# KiCad board fjol.kicad_pcb (continued)
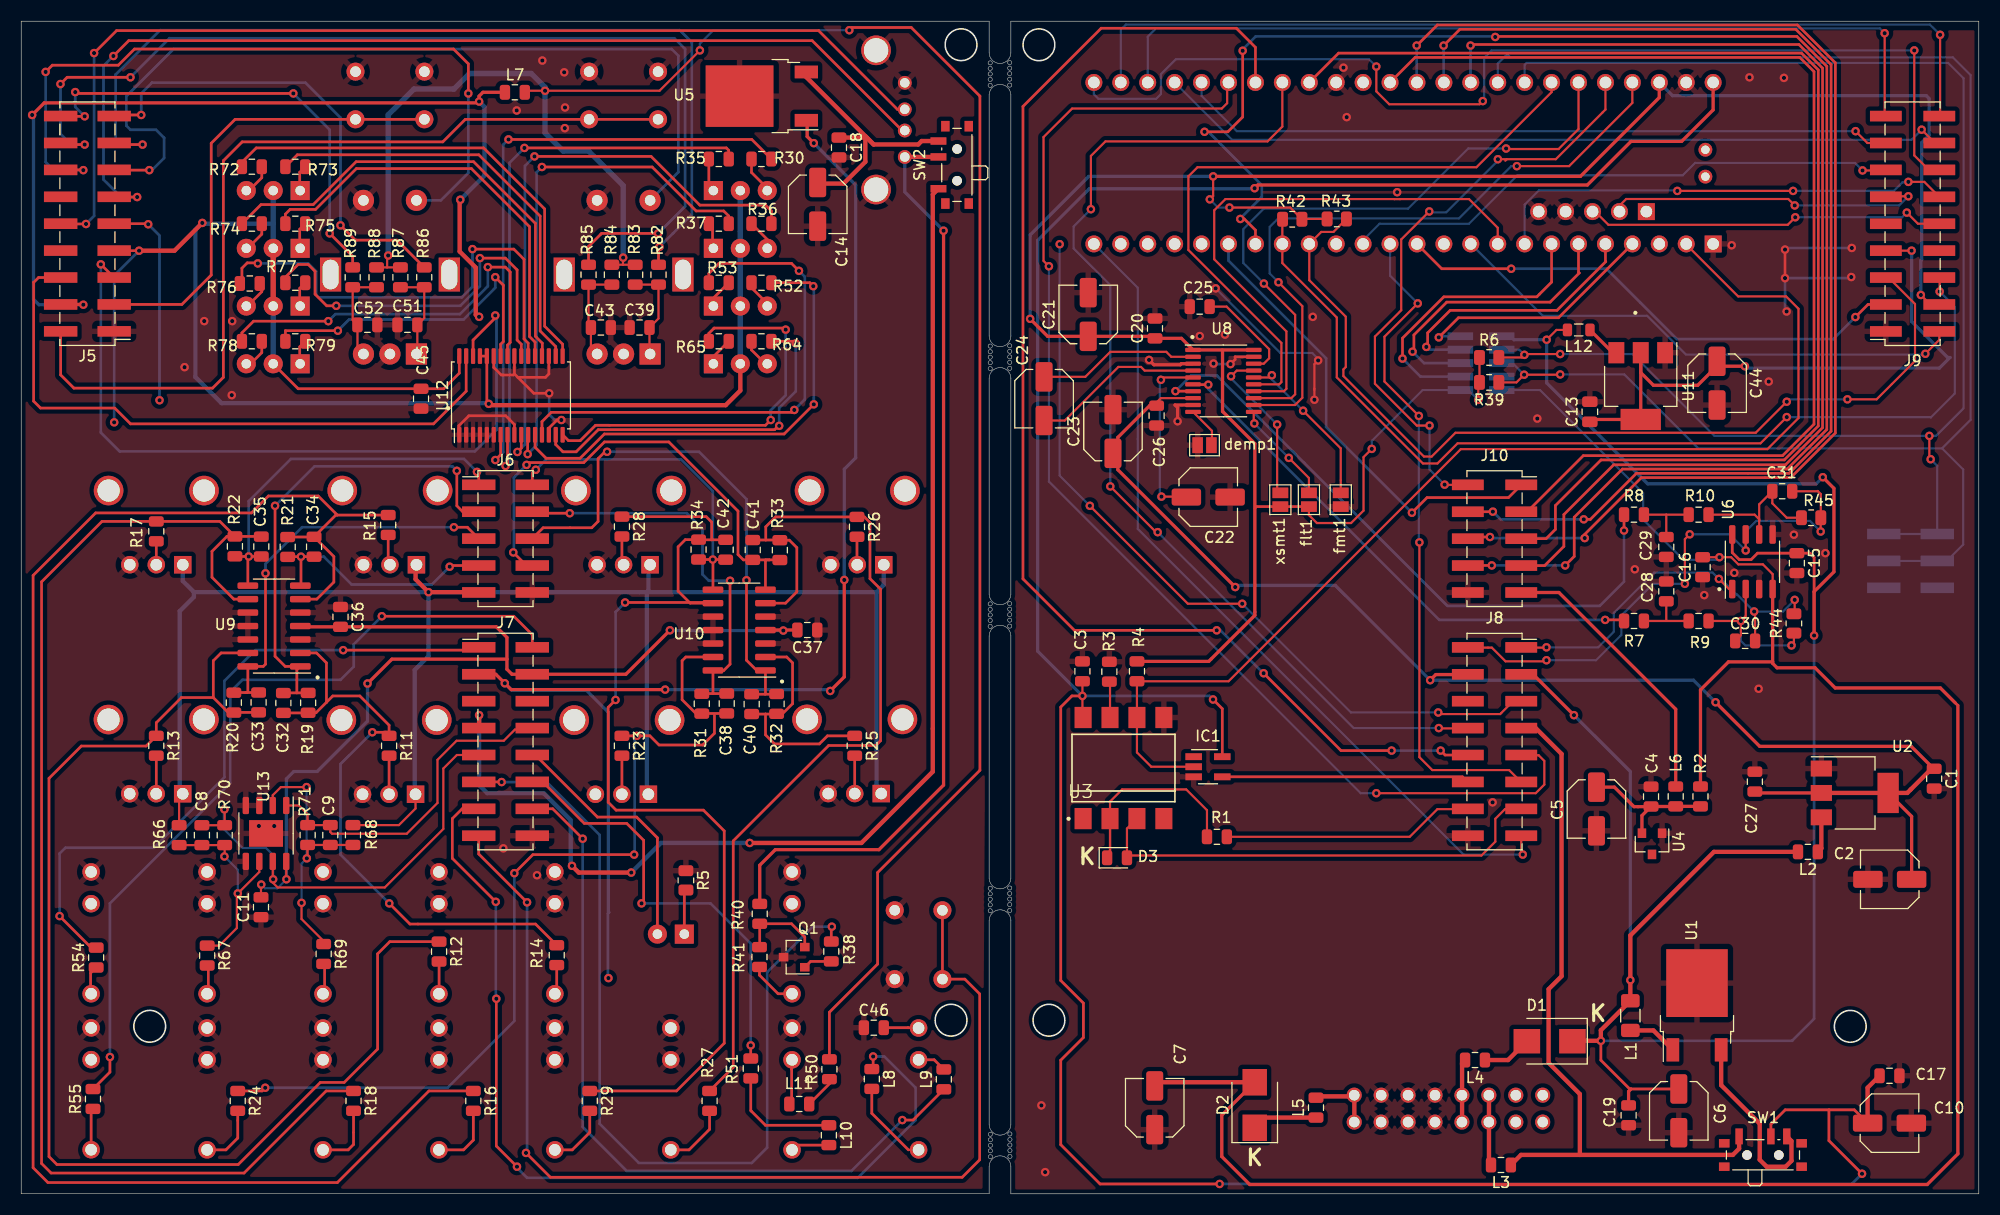
[diagram p0: board, top side]
## Footprints (pads in the part's own frame, mm; a bottom-side part is the same pattern mirrored in y, then rotated) (continued)
WQP-PJ301M-12_JACK
  round 1.65 hole 1.1: P$1_TIP(0,5) P$2_SWITCH(0,-3.5) P$3_SLEEVE(0,-6.5)
WQP-PJ366ST_JACK
  round 1.65 hole 1.1: P$1_TIP(0,5) P$2_SWITCH(0,-3.5) P$3_SLEEVE(0,-6.5)

## Nets
5V_USB: R40.2 SW2.2 X1.1
+3.3V: C20.1 C21.1 flt1.1 J2.10 J9.4 R4.2 R6.1 R39.2 R42.1 R43.2 U7.46 U8.1 U8.20 xsmt1.1
+3.3V_F: J5.4 L7.1
+3.3V_F1: L7.2 R50.2 R83.2 R84.2 R87.2 R88.2
+3.3VA: C1.1 C2.1 C23.1 C26.1 C27.1 J8.4 U2.2 U8.8
+3.3VA_F: C11.2 C36.2 C37.2 J7.4 U9.4 U10.4 U13.8
+3.3VP: C13.1 C44.1 J9.7 U11.2
+3.3VP_F: C45.1 D5.2 D6.2 D7.2 D8.2 D9.2 D10.2 D11.2 D12.2 J5.7 U12.28 U12.29 U12.32
+5V: C3.1 C10.1 C17.1 IC1.5 SW1.2 U3.8 U7.48
+12V: C6.1 C15.1 C19.1 D1.1 J2.1 J8.3 L1.2 L2.2 L12.2 U6.8
+12V-F: J7.3 U5.1
-10V: J10.9 L6.2
-10V_F: ATTACK1.1 CTL2.1 cutoff1.1 J6.9 PM1.1 PM2.1 R66.2 R68.2 RATIO1.1 RATIO2.1 RELEASE1.1
-12V: C7.2 C16.2 D2.2 J2.9 R2.1 U6.4
GND: ATTACK1.3 C11.1 C14.2 C18.2 C36.1 C37.1 C39.1 C43.1 C45.2 C46.1 C51.1 C52.1 CTL2.3 cutoff1.3 CV-CTL2.P$2_SWITCH CV-CTL2.P$3_SLEEVE CV-CTL3.P$2_SWITCH CV-CTL3.P$3_SLEEVE CV-CTL4.P$2_SWITCH CV-CTL4.P$3_SLEEVE cv-cutoff1.P$2_SWITCH cv-cutoff1.P$3_SLEEVE CV-PM1.P$2_SWITCH CV-PM1.P$3_SLEEVE CV-PM2.P$2_SWITCH CV-PM2.P$3_SLEEVE CV-RAT1.P$2_SWITCH CV-RAT1.P$3_SLEEVE CV-RAT2.P$2_SWITCH CV-RAT2.P$3_SLEEVE CV-REL1.P$2_SWITCH CV-REL1.P$3_SLEEVE GATE-OUT1.P$3_SLEEVE J5.1 J6.10 J7.16 LEFT-OUT1.P$3_SLEEVE MIDI-THRU1.P$3_SLEEVE PM1.3 PM2.3 Q1.3 R5.1 RATIO1.3 RATIO2.3 RELEASE1.3 RIGHT-OUT1.P$3_SLEEVE SW3.C SW3.S1 SW4.C SW4.S1 sw-midi1.3 sw-midi1.4 sw-sel1.3 sw-sel1.4 sw-sel2.3 sw-sel2.4 U5.2 U9.3 U9.5 U9.10 U9.11 U9.12 U10.3 U10.5 U10.10 U10.11 U10.12 U12.1 U12.2 U12.3 U12.4 U12.5 U12.6 U12.9 U12.14 U12.19 U12.24 U12.27 U13.3 U13.4 U13.5 U13.9 X1.4 X1.M1 X1.M2
GND1: C1.2 C2.2 C3.2 C4.2 C5.2 C6.2 C7.1 C10.2 C13.2 C15.2 C16.1 C17.2 C19.2 C20.2 C21.2 C22.2 C23.2 C25.2 C26.2 C27.2 C28.2 C29.2 C44.2 demp1.1 fmt1.1 IC1.3 J1.3 J1.4 J1.5 J1.6 J1.7 J1.8 J2.7 J3.1 J3.2 J8.16 J9.1 J10.10 R3.1 U1.2 U2.1 U3.5 U4.1 U6.3 U6.5 U7.1 U7.34 U7.47 U7.58 U7.59 U8.3 U8.9 U8.19 U11.1
ATTACK: J10.6 U7.37
ATTACK_F: C40.1 J6.6 R32.1 U10.1
CONTROL1_CV: J8.8 U7.32
CONTROL1_CV_F: C9.1 J7.8 R71.1 U13.1
CONTROL2_CV: J8.9 U7.30
CONTROL2_CV_F: C8.1 J7.9 R70.1 U13.7
CONTROL3: J10.5 U7.33
CONTROL3_F: C33.1 J6.5 R20.1 U9.14
ctl1_enc_A: J9.15 U7.29
ctl1_enc_A_F: J5.15 R82.2
ctl1_enc_B: J9.16 U7.28
ctl1_enc_B_F: J5.16 R85.1
ctl1_sw: J9.13 U7.14
ctl1_sw_F: J5.13 SW3.S2
ctl2_enc_A: J9.17 U7.27
ctl2_enc_A_F: J5.17 R86.2
ctl2_enc_B: J9.18 U7.26
ctl2_enc_B_F: J5.18 R89.1
ctl2_sw: J9.14 U7.25
ctl2_sw_F: J5.14 SW4.S2
cutoff: J10.3 U7.36
cutoff_f: C32.1 J6.3 R19.1 U9.1
D+: J9.10 U7.57
D+_F: J5.10 X1.3
D-: J9.11 U7.56
D-_F: J5.11 X1.2
dac_left: R7.1 U8.6
dac_right: R8.1 U8.7
euro-5V: J8.7 L3.1 SW1.1
euro-5V_f: J7.7 SW2.1
G1-EXP: J2.2 U7.4
G2-EXP: J2.4 U7.5
G3-EXP: J2.6 U7.6
G4-EXP: J2.8 U7.7
GATE: J8.11 U7.13
GATE-F: J7.11 R38.2
led1_g: R30.2 U12.7
led1_r: R35.2 U12.8
led2_g: R36.2 U12.10
led2_r: R37.2 U12.11
led3_g: R52.2 U12.12
led3_r: R53.2 U12.13
led4_g: R64.2 U12.15
led4_r: R65.2 U12.16
led5_g: R72.2 U12.17
led5_r: R73.2 U12.18
led6_g: R74.2 U12.20
led6_r: R75.2 U12.21
led7_g: R76.2 U12.22
led7_r: R77.2 U12.23
led8_g: R78.2 U12.25
led8_r: R79.2 U12.26
led_gate: J8.10 U7.31
led_gate_f: D4.2 J7.10
LEFT-OUT: C30.1 J8.1 R44.2 U6.1
LEFT-OUT-F: J7.1 R54.2
LRCLK: U7.42 U8.15
MCLK: U7.45 U8.12
MIDI-IN-L-F: J7.13 L8.1
MIDI-IN-R-F: J7.14 L9.1
MIDI-RX: IC1.2 R4.1 U3.6 U7.2
MIDI-RX4: J8.14 R1.2
MIDI-RX5: D3.2 J8.13 U3.3
MIDI-THRU: IC1.4 J8.12
MIDI-THRU-L-F: J7.12 R51.2
midi_sw: J8.15 U7.24
midi_sw-F: J7.15 sw-midi1.1 sw-midi1.2
PM1: J10.8 U7.18
PM1_F: C41.1 J6.8 R33.1 U10.7
PM2: J10.7 U7.39
PM2_F: C34.1 J6.7 R21.1 U9.7
RATIO1: J10.2 U7.44
RATIO1_F: C42.1 J6.2 R34.1 U10.8
RATIO2: J10.1 U7.19
RATIO2_F: C35.1 J6.1 R22.1 U9.8
RELEASE: J10.4 U7.38
RELEASE_F: C38.1 J6.4 R31.1 U10.14
RIGHT-OUT: C31.1 J8.2 R45.2 U6.7
RIGHT-OUT-F: J7.2 R55.2
SCL: J9.5 R43.1 U7.16
SCL-EXP: J2.3 J3.5 J3.6 R6.2 U7.41
SCL_F: J5.5 U12.30
SCLK: U7.43 U8.13
SDA: J9.6 R42.2 U7.17
SDA-EXP: J2.5 J3.3 J3.4 R39.1 U7.40
SDA_F: J5.6 U12.31
SDATA: U7.9 U8.14
sin: J9.12
sin-f: J5.12
switch1_sw: J9.2 U7.10
switch1_sw-F: J5.2 sw-sel1.1 sw-sel1.2
switch2_sw: J9.3 U7.12
switch2_sw-F: J5.3 sw-sel2.1 sw-sel2.2
Net-(ATTACK1-Pad2): ATTACK1.2 R25.2
Net-(C4-Pad1): C4.1 C5.1 L6.1 R2.2 U4.2
Net-(C8-Pad2): C8.2 R66.1 R67.1 R70.2 U13.6
Net-(C9-Pad2): C9.2 R68.1 R69.1 R71.2 U13.2
Net-(C14-Pad1): C14.1 C18.1 SW2.3 U5.3
Net-(C22-Pad1): C22.1 U8.5
Net-(C24-Pad1): C24.1 U8.2
Net-(C24-Pad2): C24.2 U8.4
Net-(C25-Pad1): C25.1 U8.18
Net-(C28-Pad1): C28.1 R7.2 R9.1
Net-(C29-Pad1): C29.1 R8.2 R10.1
Net-(C30-Pad2): C30.2 R9.2 R44.1 U6.2
Net-(C31-Pad2): C31.2 R10.2 R45.1 U6.6
Net-(C32-Pad2): C32.2 R11.1 R14.1 R19.2 U9.2
Net-(C33-Pad2): C33.2 R12.1 R13.1 R20.2 U9.13
Net-(C34-Pad2): C34.2 R15.1 R16.1 R21.2 U9.6
Net-(C35-Pad2): C35.2 R17.1 R18.1 R22.2 U9.9
Net-(C38-Pad2): C38.2 R23.1 R24.1 R31.2 U10.13
Net-(C39-Pad2): C39.2 R82.1 R83.1 SW3.A
Net-(C40-Pad2): C40.2 R25.1 R32.2 U10.2
Net-(C41-Pad2): C41.2 R26.1 R27.1 R33.2 U10.6
Net-(C42-Pad2): C42.2 R28.1 R29.1 R34.2 U10.9
Net-(C43-Pad2): C43.2 R84.1 R85.2 SW3.B
Net-(C46-Pad2): C46.2 MIDI-IN1.P$3_SLEEVE
Net-(C51-Pad2): C51.2 R86.1 R87.1 SW4.A
Net-(C52-Pad2): C52.2 R88.1 R89.2 SW4.B
Net-(CTL2-Pad2): CTL2.2 R13.2
Net-(CV-CTL2-PadP$1_TIP): CV-CTL2.P$1_TIP R12.2
Net-(CV-CTL3-PadP$1_TIP): CV-CTL3.P$1_TIP R69.2
Net-(CV-CTL4-PadP$1_TIP): CV-CTL4.P$1_TIP R67.2
Net-(CV-PM1-PadP$1_TIP): CV-PM1.P$1_TIP R27.2
Net-(CV-PM2-PadP$1_TIP): CV-PM2.P$1_TIP R16.2
Net-(CV-RAT1-PadP$1_TIP): CV-RAT1.P$1_TIP R29.2
Net-(CV-RAT2-PadP$1_TIP): CV-RAT2.P$1_TIP R18.2
Net-(CV-REL1-PadP$1_TIP): CV-REL1.P$1_TIP R24.2
Net-(D1-Pad2): D1.2 L4.1
Net-(D2-Pad1): D2.1 L5.1
Net-(D3-Pad1): D3.1 R1.1 U3.2
Net-(D4-Pad1): D4.1 R5.2
Net-(D5-Pad1): D5.1 R35.1
Net-(D5-Pad3): D5.3 R30.1
Net-(D6-Pad1): D6.1 R37.1
Net-(D6-Pad3): D6.3 R36.1
Net-(D7-Pad1): D7.1 R53.1
Net-(D7-Pad3): D7.3 R52.1
Net-(D8-Pad1): D8.1 R65.1
Net-(D8-Pad3): D8.3 R64.1
Net-(D9-Pad1): D9.1 R73.1
Net-(D9-Pad3): D9.3 R72.1
Net-(D10-Pad1): D10.1 R75.1
Net-(D10-Pad3): D10.3 R74.1
Net-(D11-Pad1): D11.1 R77.1
Net-(D11-Pad3): D11.3 R76.1
Net-(D12-Pad1): D12.1 R79.1
Net-(D12-Pad3): D12.3 R78.1
Net-(GATE-OUT1-PadP$1_TIP): GATE-OUT1.P$1_TIP R41.1
Net-(J1-Pad1): J1.1 J1.2 L5.2
Net-(J1-Pad10): J1.9 J1.10 L4.2
Net-(J1-Pad11): J1.11 J1.12 L3.2
Net-(L1-Pad1): L1.1 U1.1
Net-(L2-Pad1): L2.1 U2.3
Net-(L8-Pad2): L8.2 MIDI-IN1.P$1_TIP
Net-(L9-Pad2): L9.2 MIDI-IN1.P$2_SWITCH
Net-(L10-Pad1): L10.1 R51.1
Net-(L10-Pad2): L10.2 MIDI-THRU1.P$1_TIP
Net-(L11-Pad1): L11.1 R50.1
Net-(L11-Pad2): L11.2 MIDI-THRU1.P$2_SWITCH
Net-(L12-Pad1): L12.1 U11.3
Net-(LEFT-OUT1-PadP$1_TIP): LEFT-OUT1.P$1_TIP R54.1
Net-(PM1-Pad2): PM1.2 R26.2
Net-(PM2-Pad2): PM2.2 R15.2
Net-(Q1-Pad1): Q1.1 R38.1
Net-(Q1-Pad2): Q1.2 R40.1 R41.2
Net-(R3-Pad2): R3.2 U3.7
Net-(R11-Pad2): cutoff1.2 R11.2
Net-(R14-Pad2): cv-cutoff1.P$1_TIP R14.2
Net-(R17-Pad2): R17.2 RATIO2.2
Net-(R23-Pad2): R23.2 RELEASE1.2
Net-(R28-Pad2): R28.2 RATIO1.2
Net-(R55-Pad1): R55.1 RIGHT-OUT1.P$1_TIP
Net-(SW1-Pad3): SW1.3 U1.3
Net-(U8-Pad10): demp1.2 U8.10
Net-(U8-Pad11): flt1.2 U8.11
Net-(U8-Pad16): fmt1.2 U8.16
Net-(U8-Pad17): U8.17 xsmt1.2

Pads without a net: ATTACK1 CHASSIS1 CHASSIS2; CTL2 CHASSIS1 CHASSIS2; cutoff1 CHASSIS1 CHASSIS2; GATE-OUT1 P$2_SWITCH; IC1 1; J1 13 14 15 16; J5 8 9; J7 5 6; J8 5 6; J9 8 9; LEFT-OUT1 P$2_SWITCH; PM1 CHASSIS1 CHASSIS2; PM2 CHASSIS1 CHASSIS2; RATIO1 CHASSIS1 CHASSIS2; RATIO2 CHASSIS1 CHASSIS2; RELEASE1 CHASSIS1 CHASSIS2; RIGHT-OUT1 P$2_SWITCH; SW3 MP; SW4 MP; U3 1 4; U4 3; U7 3 8 11 15 20 21 22 23 35 55 66 67

## Via types
v1: diameter 0.8, hole 0.4, Top to Bottom, 292 vias

## Routing (per net, layer and track width the routed paths; a pad name or vN(x,y) marks a point on that pad's centre or on a via; arc(x,y) is an arc through that point)
5V_USB: length 88.1
  Top w0.305: v1(87.01,90.9) 87.01,38.57 80.92,32.48 71.14,32.48 69.67,31.01 R40.2
  Top w0.406: SW2.2 83.36,97.86 X1.1
  Bottom w0.305: v1(87.01,90.9) 83.36,94.56 X1.1
+3.3V: length 251
  Top w0.203: v1(112.45,96.03) 112.45,94.17 v1(112.13,93.86) ; R42.1 119.72,93.08 v1(113.98,93.08) ; v1(179.21,84.83) 180.1,83.94 J9.4 ; 116.38,70.8 116.38,54.6 ; v1(127.41,70.31) 126.63,69.53 126.63,64.48 125.46,63.31 122.23,63.31 121.48,64.06 flt1.1 ; R43.2 120.87,92.01 ; v1(137.46,74.93) 137.46,76.47 R39.2 R6.1 ; U8.1 113.33,79.65
  Top w0.25: 116.38,64.71 116.53,64.86 flt1.1
  Top w0.305: 113.33,79.65 113.33,73.85 116.38,70.8 116.38,54.6 112.03,50.25 R4.2 ; v1(95.18,82.58) 96.83,80.93 C21.1 106.77,80.93 C20.1 109.46,80.74 U8.1 U8.20 ; v1(112.45,96.03) 147.09,96.03 154.53,103.47 U7.46
  Bottom w0.203: v1(113.98,93.08) 112.91,93.08 v1(112.13,93.86) ; v1(127.41,70.31) 127.41,71.06 132.21,75.86 J2.10 136.53,75.86 v1(137.46,74.93)
  Bottom w0.305: v1(179.21,84.83) 179.21,88.08 179.28,88.16 179.28,99.21 179.99,99.92 179.99,103.38 179.72,103.65 155.78,103.65 U7.46 ; v1(112.45,96.03) 100.71,96.03 95.18,90.5 95.18,82.58 v1(95.18,82.58)
+3.3V_F: length 92.6
  Top w0.305: J5.4 5.84,83.94 v1(5.86,83.91) ; v1(1.03,101.82) 2.18,102.96 43.07,102.96 v1(43.2,103.09) 43.2,103.6 43.56,103.96 L7.1
  Top w0.406: v1(43.2,82.77) 43.01,82.96 42.88,82.96 42.88,87.42 41.36,88.94 41.36,93.76 v1(41.42,93.82)
  Bottom w0.305: v1(5.86,83.91) 1.67,83.91 1.16,84.42 1.16,101.69 v1(1.03,101.82)
  Bottom w0.406: v1(43.2,103.09) 43.71,102.58 43.71,96.11 v1(41.42,93.82)
+3.3V_F1: length 202.4
  Top w0.203: 56.77,87.69 R84.2 ; 56.77,87.69 56.77,88.39 56.77,88.37 v1(56.79,88.36) ; 56.77,87.69 R83.2 ; v1(34.62,88.56) 34.52,88.46 34.52,87.44 ; R87.2 34.52,87.44 ; 34.52,87.44 R88.2 ; v1(64.03,107.92) 60.22,104.11 v1(49.42,104.11) 47.65,104.11 L7.2
  Top w0.254: v1(78.12,109.82) 78.38,110.08 83.97,110.08 90.44,103.6 90.44,39.97 80.79,30.32 80.79,21.68 76.24,17.14 R50.2
  Bottom w0.203: v1(64.03,107.92) 64.03,108.55 65.3,109.82 v1(78.12,109.82)
  Bottom w0.508: v1(34.62,88.56) 34.62,101.83 37.05,104.27 40.82,104.27 42.29,105.74 48.11,105.74 49.42,104.43 v1(49.42,104.11) 49.42,100.13 51.13,98.42 53.52,98.42 56.79,95.15 v1(56.79,88.36)
+3.3VA: length 131.1
  Top w0.203: C26.1 107.11,74.69 107.52,75.1 U8.8
  Top w0.305: U2.2 163.58,37.83 ; 180.31,40.22 178.3,42.23 164.01,42.23 v1(159.84,46.39) ; v1(114.53,57.27) 103.45,68.34 103.45,71.39 106.45,74.38 C26.1 ; C2.1 178.34,35.62 U2.2 ; 136.47,49.01 133.45,49.01 v1(132.92,48.48)
  Top w0.406: 180.31,40.22 177.93,37.83 U2.2 U2.2
  Bottom w0.305: v1(159.84,46.39) 157.76,48.48 v1(132.92,48.48) 123.98,57.42 114.68,57.42 v1(114.53,57.27)
+3.3VA_F: length 96.8
  Top w0.203: v1(22.65,29.19) 22.62,29.16 C11.2 ; U13.8 25,29.71 v1(25.02,29.69)
  Top w0.305: 71.95,53.21 70.22,53.21 U10.4 ; 71.95,53.21 C37.2 ; 71.95,53.21 v1(71.9,53.16) ; 45.82,50.46 45.82,49.51 46.3,49.04 J7.4 57.05,49.04 v1(61.2,53.19) ; 45.82,50.46 34.97,50.46 v1(32.67,48.16) ; 45.82,50.46 45.82,52.51 44.82,53.51 C36.2 26.41,53.51 U9.4
  Bottom w0.203: v1(25.02,29.69) 24.17,28.84 23,28.84 v1(22.65,29.19)
  Bottom w0.305: v1(71.9,53.16) 61.22,53.16 v1(61.2,53.19) ; v1(32.67,48.16) 32.67,44.61 27.92,39.86 25.72,39.86 25.02,39.16 v1(25.02,29.69)
+3.3VP: length 58.8
  Top w0.203: v1(178.33,89.02) J9.7
  Top w0.305: C13.1 148.21,73.08 152.78,73.08 U11.2 152.78,77.51 153.98,76.31 158.16,76.31 159.98,78.13 C44.1 160.45,78.11 v1(162.61,78.11)
  Bottom w0.305: v1(178.33,89.02) 178.33,82.33 181.73,78.93 181.96,78.93 180.96,77.93 162.78,77.93 v1(162.61,78.11)
+3.3VP_F: length 162.4
  Top w0.25: v1(44.11,74.56) 43.93,74.74 U12.28 U12.29 ; J5.7 8.78,89.01 v1(11.12,89.01) ; C45.1 39.86,75.98 41.33,77.45 U12.32
  Top w0.254: D12.2 26.13,75.98 C45.1
  Top w0.406: v1(44.11,74.56) 44.23,74.43 66.46,74.43 67.84,75.81 D8.2 ; v1(11.12,89.01) 14.46,89.01 v1(17.08,91.63)
  Top w0.508: D11.2 D10.2
  Bottom w0.25: v1(11.12,89.01) 8.77,86.66 v1(8.77,72.81)
  Bottom w0.406: 23.78,91.56 17.15,91.56 v1(17.08,91.63) 16.43,90.98 16.43,77.08 18.89,74.62 44.04,74.62 v1(44.11,74.56)
  Bottom w0.508: D10.2 D9.2 ; D12.2 D11.2 ; D8.2 D7.2 D6.2 D5.2
+5V: length 284.5
  Top w0.203: U3.8 100.11,45.02 v1(100.11,46.99) C3.1
  Top w0.25: IC1.5 113.31,45.78 v1(112.43,46.66)
  Top w0.254: v1(100.11,46.99) 99.12,46.99 98.07,45.94 98.07,20.13 100.2,18 100.2,14.75 98.07,12.61 98.07,4.64 101.78,0.93 v1(113.06,0.93) ; SW1.2 165.06,6.58 166.41,7.93 170.54,7.93 ; v1(173.66,1.89) 170.54,5.02 170.54,7.93 ; 170.54,7.93 172.93,7.93 C10.1
  Top w0.305: U7.48 159.61,102.3 156.64,99.33 151.87,99.33 147.75,95.21 116.66,95.21 v1(116.36,94.91)
  Top w0.406: C10.1 174.19,10.01 C17.1
  Bottom w0.25: v1(100.11,46.99) 112.1,46.99 v1(112.43,46.66)
  Bottom w0.254: v1(173.66,1.89) 172.69,0.93 v1(113.06,0.93)
  Bottom w0.305: v1(100.11,46.99) 95.89,51.22 95.89,89.98 100.76,94.86 116.31,94.86 v1(116.36,94.91)
+12V: length 210.4
  Top w0.203: v1(143.91,80.61) 144.83,81.53 L12.2
  Top w0.254: v1(169.14,52.69) 169.14,60.06 168.73,60.46 C15.1 163.8,60.46 163.19,59.86 162.08,59.86 161.42,60.52 U6.8 ; C6.1 151.74,9.89 149.02,12.61 v1(149.02,14.44)
  Top w0.305: v1(146.48,45.17) 142.65,49.01 141.51,49.01 ; v1(169.96,67.63) 171.01,66.58 171.01,58.7 169.14,56.83 v1(169.14,52.69) ; 151.87,9.89 151.64,9.67 C19.1
  Top w0.406: D1.1 146.38,14.44 v1(149.02,14.44) 149.02,15.44 L1.2 v1(151.8,20.17) 151.8,24.38 159.69,32.27 L2.2
  Bottom w0.254: v1(169.14,52.69) 169.14,16.52 167.06,14.44 v1(149.02,14.44)
  Bottom w0.305: v1(146.48,45.17) 151.8,39.85 v1(151.8,20.17) ; J2.1 140.5,80.94 140.83,80.61 v1(143.91,80.61) 143.91,76.53 153.43,67.01 169.33,67.01 v1(169.96,67.63)
+12V-F: length 126.7
  Top w0.305: v1(74.77,99.16) 74.15,99.79 74.15,101.24 U5.1 ; v1(60.75,47.59) 46.22,47.59 v1(45.62,48.19) 44.77,49.04 J7.3 ; v1(77.65,57.94) 77.65,48.79 v1(76.32,47.46)
  Bottom w0.25: v1(55.4,20.36) 55.35,20.41 55.35,26.46 55.45,26.56
  Bottom w0.305: v1(77.65,57.94) 77.65,68.39 78.72,69.46 78.72,95.21 v1(74.77,99.16) ; v1(60.75,47.59) 76.2,47.59 v1(76.32,47.46) ; 55.45,26.56 55.4,26.61 55.4,45.44 53.32,47.51 46.3,47.51 v1(45.62,48.19)
-10V: length 26.4
  Top w0.305: L6.2 156.08,45.73 145.06,56.75 J10.9
-10V_F: length 169.5
  Top w0.203: CTL2.1 14.9,37.42 R66.2 ; R68.2 35.63,34.8 37.2,36.37 cutoff1.1
  Top w0.406: 37.21,59.37 37.21,58 v1(38.42,56.79) 43.13,56.79 J6.9
  Bottom w0.406: 59.17,59.37 59.17,56.91 59.05,56.79 ; 59.1,56.79 59.02,56.71 59.02,37.86 RELEASE1.1 ; 80.7,56.79 80.7,38.21 ATTACK1.1 ; 80.7,56.79 81.37,57.46 PM1.1 ; 80.7,56.79 v1(38.42,56.79) ; 16.3,56.79 15.24,57.84 RATIO2.1 ; 16.3,56.79 v1(38.42,56.79) ; 16.3,56.79 16.3,56.34 14.95,54.99 14.95,38.05 CTL2.1 ; v1(38.42,56.79) 38.42,50.74 37.12,49.44 37.12,37.79 cutoff1.1
-12V: length 212.5
  Top w0.203: U6.4 165.23,58.48 164.3,59.41 161.99,59.41 161.31,60.08 v1(160.21,60.08) C16.2
  Top w0.254: 182.45,46.34 182.7,46.09
  Top w0.305: 115.29,10.53 D2.2 113.26,7.42 113.26,3.52 115.9,0.88 179.81,0.88 182.7,3.77 182.7,46.09 ; 165.23,50.2 U6.4 ; 165.23,50.2 165.23,50.06 165.64,49.65 169.23,49.65 171.13,47.74 181.05,47.74 182.45,46.34 ; 165.23,50.2 161.06,50.2 158.42,47.56 R2.1
  Top w0.406: 115.29,10.53 107.28,10.53 C7.2
  Bottom w0.203: v1(160.21,60.08) 159.96,59.83 156.81,59.83 153.01,63.63 153.01,66.13 143.28,75.86 J2.9
GND: length 27.1
  Top w0.25: 46.53,77.39 46.42,77.28 45.28,77.28 44.58,77.99 U12.27
  Top w0.254: U12.19 49.78,77.38 49.46,77.06 46.86,77.06 ; 46.86,77.06 48.36,75.56 v1(49.81,75.56) ; 46.86,77.06 46.53,77.39 U12.24 ; U12.14 49.78,72.26 50.55,73.03 v1(50.96,73.03) ; U12.9 46.53,72.61 45.71,73.43 42.23,73.43 41.28,72.48 41.28,71.68 U12.1
  Bottom w0.254: v1(49.81,75.56) 49.81,73.56 50.33,73.03 v1(50.96,73.03)
  vias: v1(15.41,78.02) v1(17.27,82.36) v1(19.86,75.38) v1(19.91,82.36) v1(22.42,34.71) v1(23.87,34.71) v1(45.48,32.61) v1(46.74,102.25) v1(48.66,30.07) v1(49.16,106.96) v1(51.22,105.85) v1(51.28,100.58) v1(51.3,102.53)
GND1: length 47.3
  Top w0.203: 122,76.01 122,78.3 v1(122.35,78.65) ; 122,76.01 122,75.86 ; 122,76.01 v1(122,74.94)
  Top w0.25: U8.19 114.52,79 114.52,78.74 v1(114.08,78.31) ; v1(166.4,89.12) v1(166.4,86.42)
  Top w0.305: v1(109.09,72.91) 109.09,74.2 108.85,74.45 U8.9 ; U8.3 109.45,78.35 109.35,78.25 106.86,78.25 v1(106.4,78.7)
  Bottom w0.203: v1(112.68,85.46) 118.78,79.36 121.79,79.36 122.5,78.65 v1(122.35,78.65)
  Bottom w0.25: v1(172.64,86.53) 172.54,86.42 v1(166.4,86.42) 166.4,83.43 v1(166.55,83.27) ; v1(172.69,89.27) 166.55,89.27 v1(166.4,89.12) ; v1(114.08,78.31) 112.53,78.31 v1(112.48,78.36)
  vias: v1(96.24,8.34) v1(96.6,2.05) v1(111.18,80.96) v1(113.56,81.09) v1(121.84,82.77) v1(124.74,106.29) v1(125.04,101.61) v1(129.81,94.53) v1(138.81,36.95) v1(143.03,73.17) v1(152.22,58.94) v1(158.78,56.5) v1(161.37,89.52) v1(161.61,58.61) v1(163.04,105.37) v1(163.91,47.66) v1(164.86,76.66) v1(166.29,105.32) v1(167.23,62.21) v1(170.21,60.47)
ATTACK: length 119.3
  Top w0.25: v1(138.56,61.99) 136.63,61.99 J10.6 ; v1(147.5,61.89) 147.5,62.24 152.85,67.6 166.93,67.6 171.14,71.81 171.14,106.74 167.57,110.31 133.59,110.31 v1(131.65,108.37)
  Bottom w0.25: v1(138.56,61.99) 138.66,61.89 v1(147.5,61.89) ; U7.37 131.65,104.92 v1(131.65,108.37)
ATTACK_F: length 50.9
  Top w0.25: J6.6 49.24,62.86 53.82,62.86 54.42,63.46 54.42,69.39 55.07,70.04 v1(55.27,70.04) ; C40.1 70.18,47.16 ; 70.18,47.16 71.25,47.16 R32.1 ; 70.18,47.16 70.21,47.19 U10.1 69.39,49.39 68.42,50.36 v1(68.42,57.91)
  Bottom w0.25: v1(55.27,70.04) 63.95,70.04 68.42,65.56 v1(68.42,57.91)
CONTROL1_CV: length 99.9
  Top w0.203: v1(100.91,92.93) 100.91,97.96 102.29,99.33 117.58,99.33 118.97,100.72 U7.32 ; 136.47,43.93 133.76,43.93 v1(133.73,43.96) ; v1(102.74,66.76) 107.06,62.45 v1(107.21,62.45)
  Bottom w0.203: v1(133.73,43.96) 125.7,43.96 v1(107.21,62.45) ; v1(100.91,92.93) 99.29,91.3 99.29,89.22 102.74,85.76 v1(102.74,66.76)
CONTROL1_CV_F: length 31.8
  Top w0.203: U13.1 26.2,36.65 27.02,35.83 R71.1 C9.1 29.16,34.15 29.32,33.99 36.37,33.99 39.27,36.89 39.27,40.96 41.07,42.76 45.52,42.76 46.57,43.81 48.07,43.81 J7.8
CONTROL2_CV: length 117.3
  Top w0.203: v1(96.95,87.54) 96.44,88.05 96.44,99.73 99.14,102.43 113.26,102.43 113.77,102.93 113.77,104.76 U7.30 ; v1(127.84,37.81) 142.88,37.81 143.69,38.62 143.69,40.86 143.16,41.39 141.51,41.39
  Bottom w0.203: v1(96.95,87.54) 96.95,67.22 126.36,37.81 v1(127.84,37.81)
CONTROL2_CV_F: length 43.6
  Top w0.203: v1(23.77,29.68) 23.77,29.34 24.2,28.91 34.3,28.91 39.82,34.44 39.82,40.14 41.1,41.42 J7.9 ; v1(19.17,36.29) 19.2,36.26 R70.1 C8.1 ; 23.73,29.72 U13.7
  Bottom w0.203: v1(19.17,36.29) 19.12,36.24 19.12,34.41 20.9,32.64 23.1,32.64 23.77,31.96 v1(23.77,29.68)
CONTROL3: length 117.2
  Top w0.25: J10.5 143.86,61.83 144.73,62.71 144.73,64.96 149.04,69.26 166.32,69.26 169.53,72.47 169.53,106.08 167.95,107.66 124.28,107.66 U7.33
CONTROL3_F: length 38.2
  Top w0.25: 21.17,47.31 21.17,47.31 21.32,47.31 21.38,47.37 U9.14 22.84,49.78 23.05,49.99 v1(23.05,58.56) ; 21.17,47.31 C33.1 ; 21.17,47.31 20.08,47.31 R20.1 ; v1(40.82,62.91) 42.09,62.91 J6.5
  Bottom w0.25: v1(40.82,62.91) 26.5,62.91 23.05,59.46 v1(23.05,58.56)
ctl1_enc_A: length 67.7
  Top w0.203: J9.15 174.17,99.18 v1(173.05,100.29)
  Bottom w0.203: U7.29 111.35,103.62 114.68,100.29 v1(173.05,100.29)
ctl1_enc_A_F: length 90.4
  Top w0.254: v1(60.22,89.37) 60.12,89.28 R82.2 ; v1(11.45,99.03) 8.92,99.03 J5.15
  Bottom w0.254: v1(11.45,99.03) 9.42,99.03 8.91,99.53 8.91,105.63 13.1,109.82 62.12,109.82 63.26,108.68 63.26,92.42 v1(60.22,89.37)
ctl1_enc_B: length 75.3
  Top w0.203: v1(179.28,100.43) 180.54,99.18 J9.16
  Bottom w0.203: v1(179.28,100.43) 178.33,99.48 114.22,99.48 U7.28
ctl1_enc_B_F: length 98.1
  Top w0.254: v1(10.31,105.38) 4.34,105.38 v1(3.7,104.74) ; v1(60.09,90.64) 54.76,90.64 53.52,89.41 R85.1 ; J5.16 3.87,99.03 v1(5.99,99.03)
  Bottom w0.254: v1(5.99,99.03) 4.72,99.03 3.7,100.04 v1(3.7,104.74) ; v1(60.09,90.64) 62.63,93.18 62.63,108.04 61.61,109.06 13.99,109.06 v1(10.31,105.38)
ctl1_sw: length 53.2
  Top w0.203: v1(173.71,96.58) 175.86,96.58 J9.13
  Bottom w0.203: v1(173.71,96.58) 173,97.3 157.91,97.3 156.74,96.13 141.15,96.13 136.58,91.56 128.14,91.56 126.42,89.83 U7.14
ctl1_sw_F: length 82.8
  Top w0.254: J5.13 8.8,96.61 v1(12.08,96.61)
  Bottom w0.254: SW3.S2 61.99,96.43 61.99,107.41 61.36,108.04 14.37,108.04 9.92,103.6 9.92,100.8 10.31,100.42 12.72,100.42 13.48,99.66 13.48,97.76 12.34,96.61 v1(12.08,96.61)
ctl2_enc_A: length 82.2
  Top w0.203: v1(175.79,109.54) 175.79,101.83 J9.17
  Bottom w0.203: U7.27 106.27,109.21 107.06,110 175.34,110 v1(175.79,109.54)
ctl2_enc_A_F: length 44.9
  Top w0.254: J5.17 8.87,101.82 v1(11.32,101.82) ; v1(30.12,91.41) 31.51,90.01 35.45,90.01 R86.2
  Bottom w0.254: v1(30.12,91.41) 30.12,101.57 26.82,104.87 12.34,104.87 11.32,103.85 v1(11.32,101.82)
ctl2_enc_B: length 90.6
  Top w0.203: J9.18 181.03,101.79 v1(181.03,109.39)
  Bottom w0.203: v1(181.03,109.39) 180.06,110.35 104.22,110.35 103.73,109.87 U7.26
ctl2_enc_B_F: length 44.3
  Top w0.254: J5.18 3.75,101.69 v1(5.99,101.69) ; v1(25.67,103.85) 5.23,103.85 v1(5.1,103.98) ; v1(29.1,90.64) 31.27,88.47 R89.1
  Bottom w0.254: v1(29.1,90.64) 29.1,100.42 v1(25.67,103.85) ; v1(5.99,101.69) 5.1,102.58 v1(5.1,103.98)
ctl2_sw: length 101.7
  Top w0.203: v1(137.88,103.13) 137.58,102.83 129.06,102.83 127.84,104.05 v1(127.84,106.39) ; J9.14 179.96,96.64 178.59,98.01 v1(178.59,107.91)
  Bottom w0.203: v1(137.88,103.13) 138.01,103.26 138.01,107.21 138.71,107.91 v1(178.59,107.91) ; v1(127.84,106.39) 127.15,107.08 108.93,107.08 107.52,105.67 107.52,103.8 107.06,103.34 101.63,103.34 101.19,103.77 U7.25
ctl2_sw_F: length 72.1
  Top w0.254: J5.14 5.84,96.64 v1(5.86,96.61) ; v1(2.3,105.88) 2.94,106.52 9.16,106.52 10.69,108.04 40.79,108.04 42.18,106.65 v1(42.18,103.85)
  Bottom w0.254: v1(2.3,105.88) 2.3,97.38 3.07,96.61 v1(5.86,96.61) ; SW4.S2 39.58,93.76 42.18,96.36 v1(42.18,103.85)
cutoff: length 105.8
  Top w0.25: U7.36 131.5,107.26 167.78,107.26 169.13,105.91 169.13,72.64 166.16,69.66 147.37,69.66 142.07,64.37 141.51,64.37
cutoff_f: length 46.4
  Top w0.25: R19.1 26,47.28 ; 26,47.28 26,49.47 26.31,49.78 U9.1 24.91,49.78 23.95,50.74 v1(23.95,64.94) ; 26,47.28 24.75,47.28 C32.1 ; v1(41.1,68.24) 41.1,64.94 41.66,64.38 J6.3
  Bottom w0.25: v1(23.95,64.94) 27.67,68.66 40.67,68.66 v1(41.1,68.24)
D+: length 34.1
  Top w0.203: v1(177.88,92.61) 178.93,91.56 J9.10 ; U7.57 148.49,92.7 149.73,91.45 166.65,91.45 v1(167.36,92.16)
  Bottom w0.203: v1(177.88,92.61) 177.44,92.16 v1(167.36,92.16)
D+_F: length 99.3
  Top w0.25: J5.10 3.75,91.53 v1(6.11,91.53) ; X1.3 82.65,102.35 75.22,109.79 9,109.79 v1(6.88,107.66)
  Bottom w0.25: v1(6.88,107.66) 6.88,92.3 v1(6.11,91.53)
D-: length 30.8
  Top w0.203: U7.56 150.77,93.26 151.41,93.89 166.7,93.89 v1(167.31,93.28) ; J9.11 175.96,94.15 v1(178.03,94.15)
  Bottom w0.203: v1(178.03,94.15) 177.17,93.28 v1(167.31,93.28)
D-_F: length 96.9
  Top w0.25: X1.2 83.1,100.35 74.62,108.84 10.15,108.84 v1(8.7,107.39) ; J5.11 8.8,94.07 v1(10.94,94.07)
  Bottom w0.25: v1(10.94,94.07) 9.42,94.07 7.77,95.72 7.77,106.45 v1(8.7,107.39)
dac_left: length 50.1
  Top w0.25: v1(149.43,54.17) 151.11,54.17 R7.1 ; v1(111.99,76.37) 110.58,76.37 U8.6
  Bottom w0.25: v1(111.99,76.37) 111.99,75.96 133.78,54.17 v1(149.43,54.17)
dac_right: length 60.9
  Top w0.25: R8.1 151.21,64.1 v1(151.21,62.6) ; U8.7 110.54,75.76 v1(108.89,75.76)
  Bottom w0.25: v1(151.21,62.6) 151.21,57.77 148.92,55.49 134.54,55.49 112.8,77.23 110.36,77.23 v1(108.89,75.76)
euro-5V: length 67.7
  Top w0.406: 141.51,43.93 142.9,43.93 145.31,41.52 145.31,20.54 144.09,19.32 144.09,12.36 147.04,9.41 147.04,3.67 ; SW1.1 162.06,4.26 161.47,3.67 147.04,3.67 ; L3.1 141.49,3.67 147.04,3.67
euro-5V_f: length 115.7
  Top w0.406: v1(57.55,30.32) 52.6,30.32 v1(51.96,30.95) ; SW2.1 86,94.33 86,39.84 79.27,33.11 v1(68.73,33.11) ; J7.7 43.2,43.99 v1(43.2,45.18)
  Bottom w0.406: v1(57.55,30.32) 60.34,33.11 v1(68.73,33.11) ; v1(43.2,45.18) 43.2,38.57 43.96,37.81 49.29,37.81 51.83,35.27 51.83,31.08 v1(51.96,30.95)
G1-EXP: length 23.7
  Top w0.203: U7.4 152.02,89.68
  Top w0.25: v1(133.73,80.83) 135.58,82.68 145.03,82.68 151.73,89.38
  Bottom w0.25: J2.2 133.84,80.94 v1(133.73,80.83)
G2-EXP: length 26
  Top w0.25: v1(132.56,79.93) 132.68,80.06 132.68,81.26 134.81,83.38 144.88,83.38 149.48,87.98 149.45,88.01 U7.5
  Bottom w0.25: J2.4 132.82,79.67 v1(132.56,79.93)
G3-EXP: length 27.4
  Top w0.25: v1(131.26,79.48) 131.38,79.61 131.38,81.06 134.48,84.16 144.23,84.16 146.98,86.91 146.91,86.98 U7.6
  Bottom w0.25: J2.6 132.34,78.4 v1(131.26,79.48)
G4-EXP: length 28
  Top w0.25: v1(130.31,78.83) 130.31,80.76 134.21,84.66 142.98,84.66 144.37,86.05 U7.7
  Bottom w0.25: J2.8 132.01,77.13 v1(130.31,78.83)
GATE: length 62.8
  Top w0.203: v1(131.75,84.04) 128.61,80.89 128.61,76.66 v1(131.85,73.42) ; v1(131.9,61.48) 131.9,41.21 133.12,39.99 140.36,39.99 141.51,38.85
  Bottom w0.203: v1(131.75,84.04) 129.13,86.65 U7.13 ; v1(131.9,61.48) 131.85,61.53 v1(131.85,73.42)
GATE-F: length 84.5
  Top w0.25: v1(45.32,38.86) 45.31,38.88 J7.11 ; v1(76.47,25.21) 76.42,25.16 R38.2
  Bottom w0.25: v1(76.47,25.21) 74.67,25.21 70.37,20.91 70.37,4.36 68.92,2.91 58.27,2.91 54.57,6.61 54.57,33.86 49.57,38.86 v1(45.32,38.86)
led1_g: length 58.9
  Top w0.25: R30.2 68.92,99.51 v1(45.97,99.51)
  Top w0.254: U12.7 45.23,69.75 v1(44.73,69.25)
  Bottom w0.25: v1(44.73,69.25) 45.47,70 45.47,99.01 v1(45.97,99.51)
led1_r: length 54
  Top w0.25: R35.2 66.75,98.49 66.52,98.71 v1(47.47,98.71)
  Top w0.254: U12.8 45.88,68.88 v1(45.69,68.7)
  Bottom w0.25: v1(47.47,98.71) 46.07,97.31 46.07,69.07 v1(45.69,68.7)
led2_g: length 56
  Top w0.25: v1(48.42,97.91) 59.42,97.91 64.02,93.31 70.22,93.31 70.77,92.76 R36.2
  Top w0.254: U12.10 47.18,70.38 v1(46.81,70.02)
  Bottom w0.25: v1(48.42,97.91) 47.52,97.01 47.52,70.73 v1(46.81,70.02)
led2_r: length 49.8
  Top w0.25: R37.2 66.75,92.29 66.27,92.76 63.67,92.76 59.52,96.91 v1(49.12,96.91)
  Top w0.254: U12.11 47.78,71.59 v1(47.78,69.81)
  Bottom w0.25: v1(47.78,69.81) 48.62,70.66 48.62,96.41 v1(49.12,96.91)
led3_g: length 45.3
  Top w0.25: v1(74.72,85.66) 74.4,85.99 R52.2 ; v1(74.77,74.51) 71.97,71.71
  Top w0.254: 71.97,71.71 55.01,71.71 52.72,69.42 49.52,69.42 48.48,70.46 U12.12
  Bottom w0.25: v1(74.77,74.51) 74.77,85.61 v1(74.72,85.66)
led3_r: length 49.3
  Top w0.25: R53.2 64.87,86.86 65.82,87.81 72.67,87.81 v1(73.37,87.11)
  Top w0.254: v1(72.93,73.98) 72.71,73.76 50.01,73.76 49.13,72.88 U12.13
  Bottom w0.25: v1(72.93,73.98) 73.92,74.97 73.92,86.56 v1(73.37,87.11)
led4_g: length 34.1
  Top w0.25: 71.23,72.28 71.31,72.28 v1(71.51,72.48) ; R64.2 72.87,80.46 v1(73.07,80.26)
  Top w0.254: 71.23,72.28 71.07,72.12 54.44,72.12 52.35,70.03 51.11,70.03 50.43,70.71 U12.15
  Bottom w0.25: v1(73.07,80.26) 73.07,75.75 71.51,74.18 v1(71.51,72.48)
led4_r: length 38.1
  Top w0.25: 55.51,72.53 70.21,72.53 v1(70.71,73.03) ; v1(72.12,81.56) 71.97,81.71 65.37,81.71 64.87,81.21 R65.2
  Top w0.254: 55.51,72.53 54.18,72.53 52.73,71.08 51.63,71.08 U12.16
  Bottom w0.25: v1(72.12,81.56) 72.12,75.36 70.71,73.95 v1(70.71,73.03)
led5_g: length 46.5
  Top w0.25: R72.2 20.82,97.36 22.17,98.71 43.62,98.71 49.38,92.95 49.38,81.88 51.08,80.19 U12.17
led5_r: length 40.7
  Top w0.25: U12.18 50.43,79.96 48.96,81.43 48.96,92.27 43.17,98.06 26.05,98.06 R73.2
led6_g: length 45.3
  Top w0.25: R74.2 22.62,93.36 27.55,93.36 31.6,97.41 42.68,97.41 48.51,91.58 48.51,80.93 49.16,80.28 49.16,79.09 U12.20
led6_r: length 40.4
  Top w0.25: U12.21 48.48,80.39 47.95,80.91 47.95,91.28 42.47,96.76 31.62,96.76 27.77,92.91 25.37,92.91 24.92,92.46 R75.2
led7_g: length 44.5
  Top w0.25: 20.82,85.99 20.82,87.36 21.32,87.86 22.27,87.86 v1(22.32,87.81) ; U12.22 47.83,80.29 47.43,80.68 47.43,88.2 46.47,89.16 v1(42.57,89.16)
  Bottom w0.25: v1(42.57,89.16) 42.57,85.61 41.57,84.61 28.02,84.61 27.82,84.81 27.82,87.06 27.07,87.81 v1(22.32,87.81)
led7_r: length 37.9
  Top w0.25: v1(43.27,88.31) 45.67,88.31 46.78,87.2 46.78,80.58 47.18,80.19 U12.23 ; R77.2 24.92,86.51 26.12,87.71 27.07,87.71 27.72,87.06 27.72,84.91 28.82,83.81 v1(29.72,83.81)
  Bottom w0.25: v1(29.72,83.81) 41.42,83.81 43.27,85.66 v1(43.27,88.31)
led8_g: length 38
  Top w0.25: R78.2 20.82,81.26 21.92,82.36 v1(28.97,82.36) ; U12.25 45.88,80.1 46.13,80.36 46.13,87 45.67,87.46 v1(44.02,87.46)
  Bottom w0.25: v1(44.02,87.46) 44.02,85.66 41.39,83.02 29.64,83.02 v1(28.97,82.36)
led8_r: length 31.3
  Top w0.25: R79.2 24.92,81.46 v1(29.87,81.46) ; U12.26 45.23,80.18 45.48,80.43 45.48,85.75 v1(44.72,86.51)
  Bottom w0.25: v1(29.87,81.46) 30.93,82.52 41.73,82.52 44.72,85.51 v1(44.72,86.51)
led_gate: length 122.9
  Top w0.25: v1(133.91,41.83) 134.33,41.41 J8.10 ; v1(129.28,41.83) 124.51,41.83 v1(117.21,49.13) ; U7.31 116.43,108.21 114.63,110.01 101.88,110.01 94.5,102.63 94.5,58.04 99.36,53.18 v1(112.78,53.18)
  Bottom w0.25: v1(112.78,53.18) 113.13,53.18 117.18,49.13 v1(117.21,49.13) ; v1(129.28,41.83) v1(133.91,41.83) 133.53,41.83
led_gate_f: length 24.1
  Top w0.254: J7.10 48.5,41.42 54.36,35.56 58.06,35.56 60.02,33.6 D4.2
LEFT-OUT: length 37.6
  Top w0.203: U6.1 161.11,57.08 v1(160.16,58.03) ; C30.1 163.57,54.87 v1(163.48,54.96) ; R44.2 167.31,54.82 v1(167.31,56.06) ; 141.51,51.55 143.86,51.55 v1(143.89,51.58)
  Bottom w0.203: v1(143.89,51.58) 148.77,51.58 150.24,53.05 150.24,54.83 154.05,58.64 159.55,58.64 v1(160.16,58.03) 160.35,58.03 161.81,56.56 ; v1(167.31,56.06) 166.21,54.96 v1(163.48,54.96) 161.88,56.56 161.81,56.56 ; 161.87,56.5 161.81,56.56
LEFT-OUT-F: length 63.5
  Top w0.25: v1(30.37,51.31) 42.9,51.31 J7.1 ; R54.2 6.6,23.24 v1(3.62,26.21)
  Bottom w0.25: v1(3.62,26.21) 3.62,32.11 4.17,32.66 12.52,32.66 19.17,39.31 19.17,48.41 22.07,51.31 v1(30.37,51.31)
